# KiCad board pannel.kicad_pcb (continued)
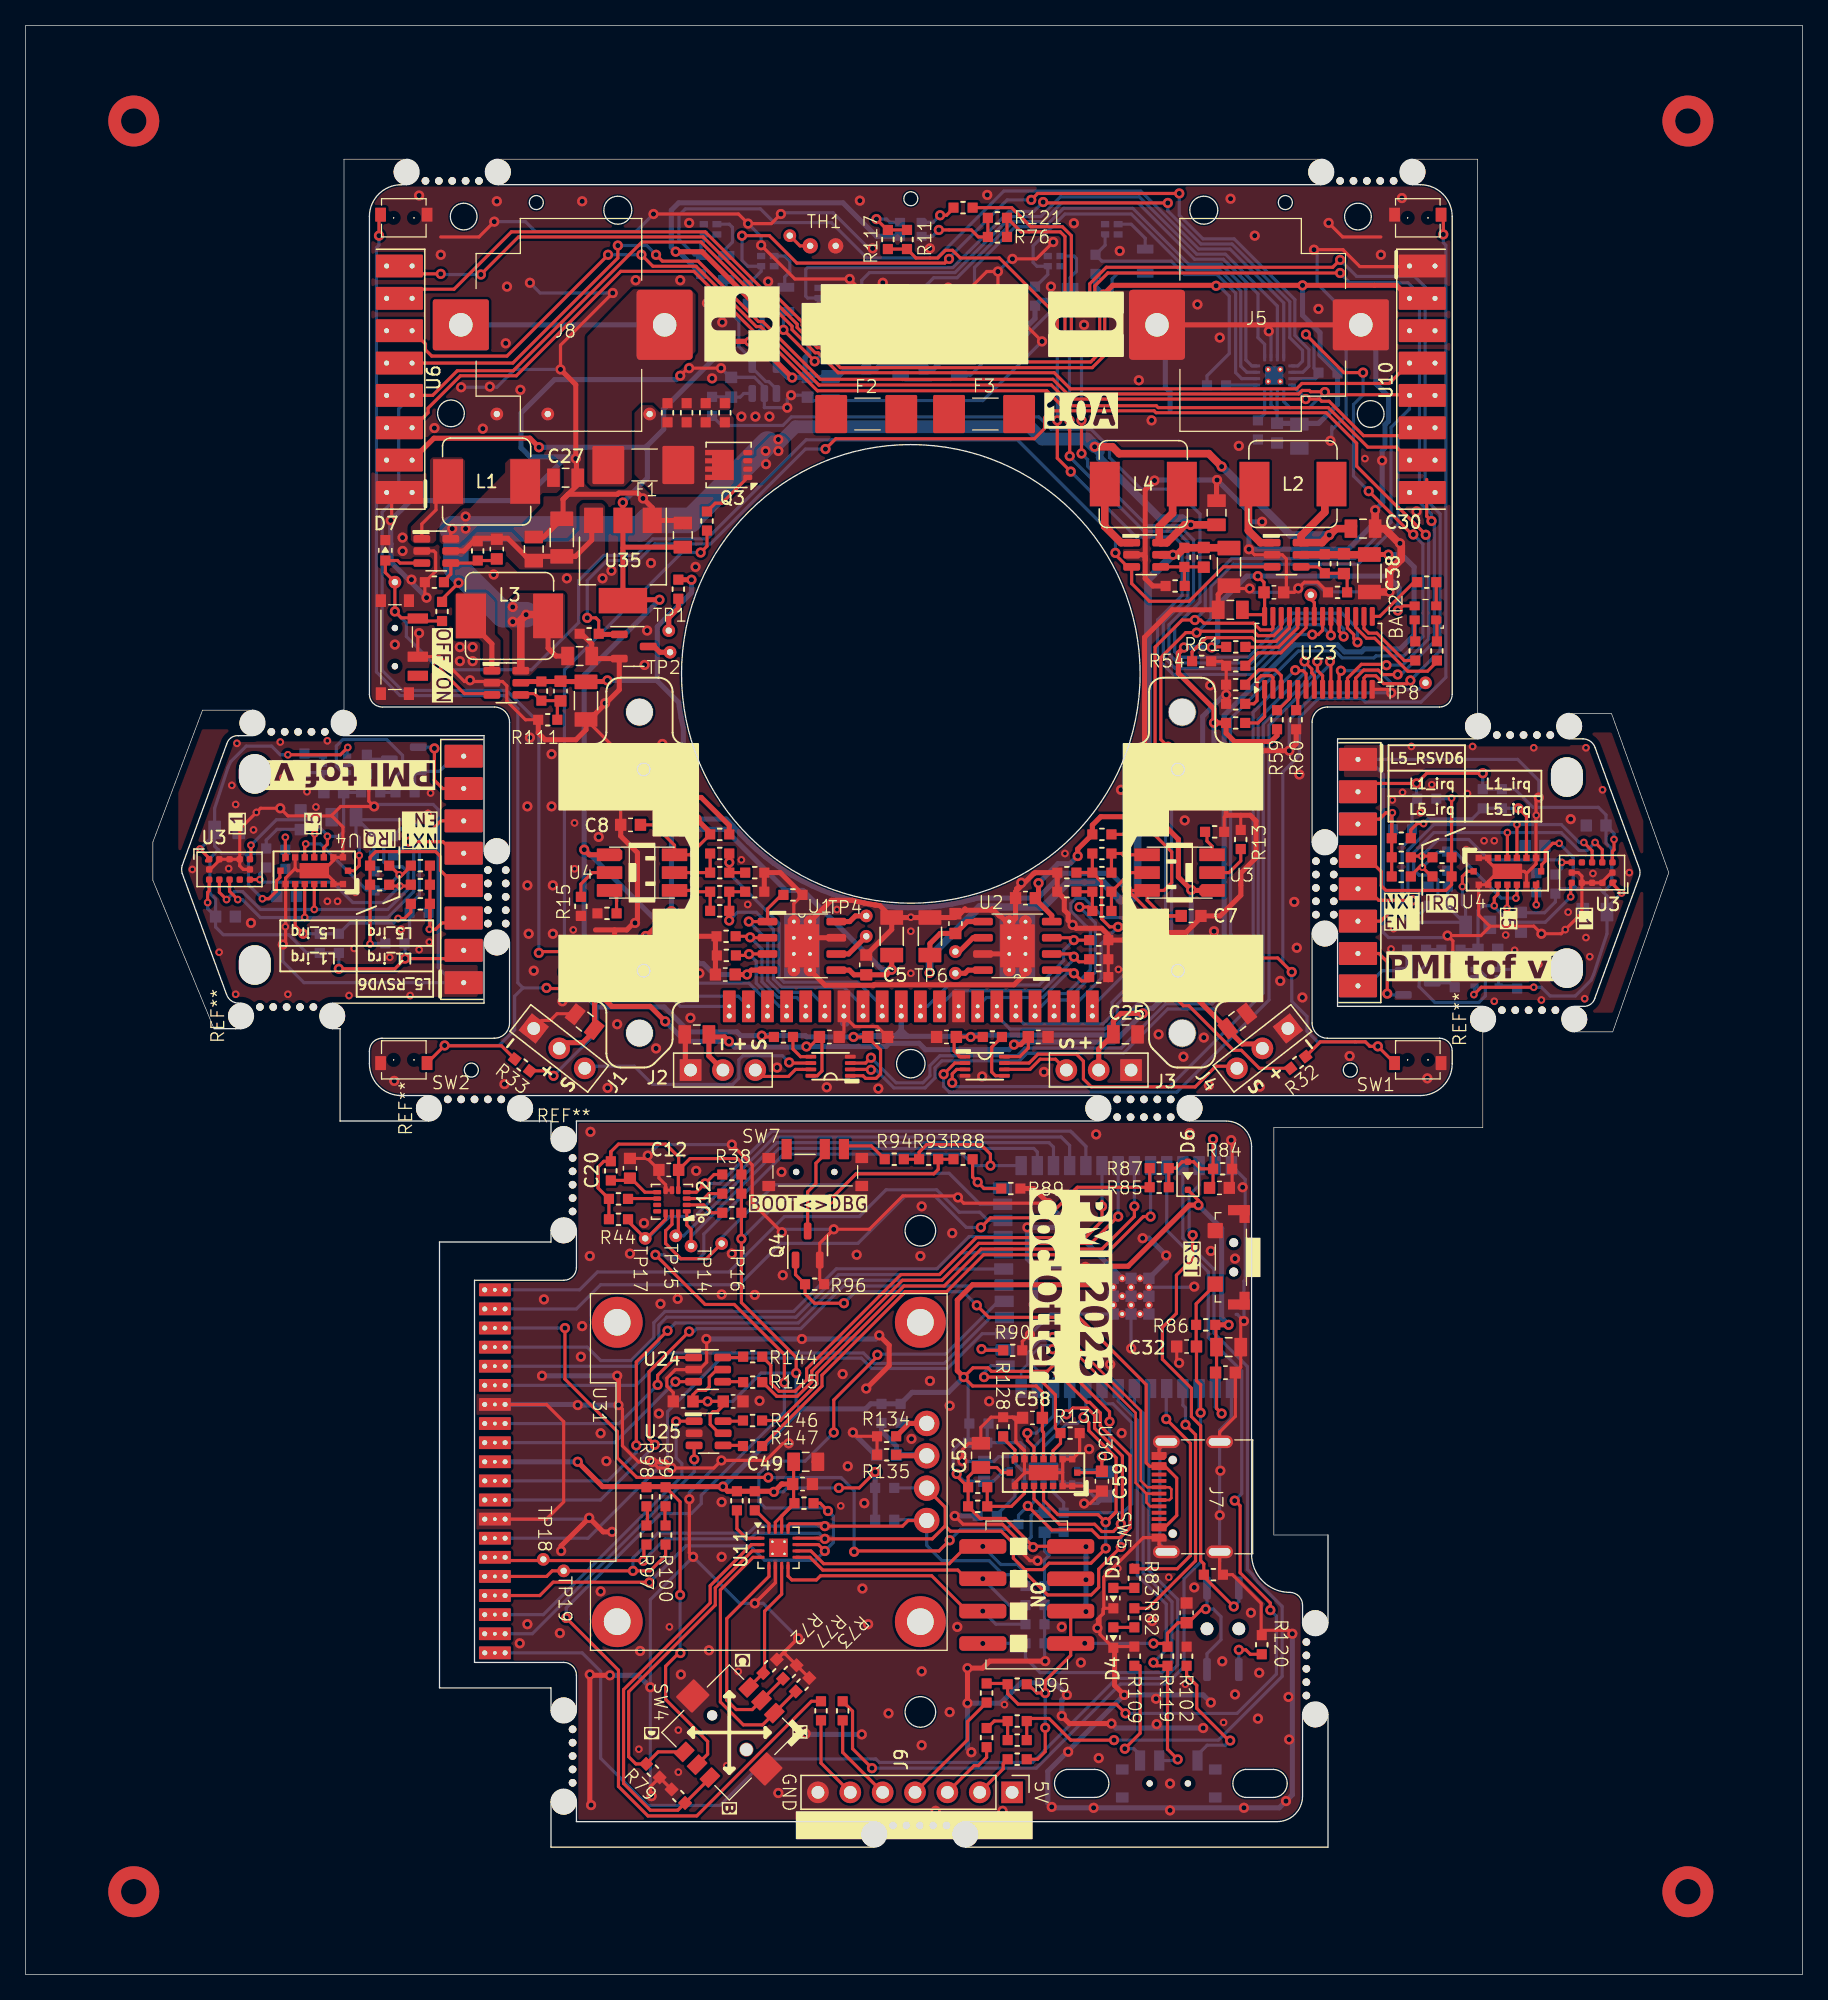
[diagram p0: board, top side]
## Nets (continued)
/sensors/line_led_3v3: R34.1 R35.1 R40.1 R41.1 R46.1 R47.1 R50.1 R51.1 U5.1 U5.4
/sensors/tof_irq: J50.3 U6.4 U10.4
/VL53L1_irq_3v3: R4.1 R4#2.1 R8#2.2 R8#3.2 R20#2.1 R20#3.1 U3#2.7 U3#3.7
/VL53L5_I2C_RST_3v3: R14#2.1 R14#3.1 U4#2.A1 U4#3.A1
/VL53L5_irq_3v3: R5.1 R5#2.1 R13#2.2 R13#3.2 R21#2.1 R21#3.1 U4#2.A3 U4#3.A3
/VL53L5_RSVD6_3v3: R6#2.1 R6#3.1 R11#2.2 R11#3.2 R12.2 R12#2.2 U4#2.C2 U4#3.C2
DETECT_IRQ_3v3: J1.4 J1#2.4 R20#2.2 R20#3.2 R21#2.2 R21#3.2 R25#2.2 R25#3.2
enable_next_board_3v3: J1.3 J1#2.3 R4.2 R4#2.2 R5.2 R5#2.2 R6#2.2 R6#3.2 R7#2.2 R7#3.2
Net-(BAT2-C_BLUE): BAT2.2 R62.1
Net-(BAT2-C_GREEN): BAT2.4 R63.1
Net-(BAT2-C_RED): BAT2.1 R64.1
Net-(D1-C_BLUE): D1.2 R11.2 R117.2
Net-(D1-C_GREEN): D1.4 R76.2 R121.2
Net-(D1-C_RED): D1.1 R74.2
Net-(D4-PadA): D4.A R82.2
Net-(D5-PadA): D5.A R83.2
Net-(J9-3V3): J9.2 R138.2
Net-(J9-BOOT): J9.6 R140.2
Net-(J9-NRST): J9.5 R139.2
Net-(J9-RXD): J9.3 R137.2
Net-(J9-TXD): J9.4 R136.2
Net-(Q1-D): Q1.3 Q1#2.3 Q1#3.3 R16#2.1 R16#3.1 TP2.1
Net-(Q4-D): Q4.3 SW7.B
Net-(Q4A-DN): Q4#2.6 Q4#3.6 R15#2.1 R15#3.1 R18#2.1 R18#3.1
Net-(Q4A-GN): Q4#2.2 Q4#2.3 Q4#3.2 Q4#3.3 R17#2.1 R17#3.1
Net-(R8-Pad1): R8.1 TP1.1
Net-(R94-Pad2): R94.2 SW7.C
Net-(R97-Pad1): R97.1 R98.2
Net-(R100-Pad1): R99.2 R100.1
Net-(R102-Pad1): R102.1 SW3.A
Net-(R109-Pad1): R109.1 SW3.C
Net-(R120-Pad1): R120.1 U18.1
Net-(TH1-Pad1): TH1.1 TP12.1
Net-(U3-C1): R13.1 U3.2
Net-(U3-C2): R14.1 U3.3
Net-(U3-E1): R22.1 R25.1 U3.4
Net-(U3-E2): R17.1 R19.1 U3.5
Net-(U4-C1): R15.1 U4.2
Net-(U4-C2): R16.1 U4.3
Net-(U4-E1): R26.1 R28.1 U4.4
Net-(U4-E2): R20.1 R24.1 U4.5
Net-(U5-+): C9#3.1 R31.2 U5.3
Net-(U7-ADDR): R10.1 U7.16
Net-(U7-~{RESET}): R12#3.2 U7.1
Net-(U8-A): R34.2 U8.3
Net-(U9-A): R35.2 U9.3
Net-(U11-ADDR): R118.2 U11.16
Net-(U11-~{RESET}): R116.2 U11.1
Net-(U12-INT2/DEN): R39.2 U12.9
Net-(U12-SCx): R45.2 U12.3
Net-(U12-SDx): R101.2 U12.2
Net-(U12-Vdd): C20.1 R141.2 U12.8
Net-(U13-A): R40.2 U13.3
Net-(U14-A): R41.2 U14.3
Net-(U15-A): R46.2 U15.3
Net-(U16-A): R47.2 U16.3
Net-(U17-DIR): R143.2 U17.5
Net-(U19-A): R50.2 U19.3
Net-(U20-A): R51.2 U20.3
Net-(U21-DIR): R142.2 U21.5
Net-(U22-RSVD6): R125.2 R126.2 U22.C2
Net-(U23-A0): R57.2 U23.1
Net-(U23-A1): R56.1 U23.2
Net-(U23-A2): R58.1 U23.3
Net-(U23-A3): R59.2 U23.4
Net-(U23-A4): R60.1 U23.5
Net-(U23-A5): R61.2 U23.24
Net-(U23-EXTCLK): R54.1 U23.25
Net-(U24-1Y): R144.1 U24.6
Net-(U24-2Y): R145.1 U24.4
Net-(U25-1Y): R146.1 U25.6
Net-(U25-2Y): R147.1 U25.4
Net-(U28-FB): C29.2 R66.2 R107.1 U28.4
Net-(U28-SW): L1.2 U28.1
Net-(U29-FB): C37.2 R67.2 R108.1 U29.4
Net-(U29-SW): L2.2 U29.1
Net-(U30-RSVD6): R129.2 R130.2 U30.C2
Net-(U31-GND): R133.1 R134.2 U31.1
Net-(U31-VCC): C31.1 R132.1 R135.1 U31.2
Net-(U32-IO45,GPIO45): R88.2 R89.1 U32.26
Net-(U32-IO46,GPIO46): R90.1 U32.16
Net-(U32-TXD0,U0TXD,GPIO43,CLK_OUT1): R91.1 R92.1 U32.37
Net-(U33-FB): C41.2 R110.2 R111.1 U33.4
Net-(U33-SW): L3.2 U33.1
Net-(U34-FB): C42.2 R112.2 R113.1 U34.4
Net-(U34-SW): L4.2 U34.1

Pads without a net: F2 1 2; F3 1 2; J7 A5 A8 B5 B8; J9 1; SW7 A; SW8 C; U3#2 8; U3#3 8; U4#2 C5; U4#3 C5; U7 17; U10 3; U11 17; U12 10 11; U22 C5; U30 C5; U31 NC

## Via types
v1: diameter 4, hole 2, Top to Bottom, 4 vias
v2: diameter 0.8, hole 0.4, Top to Bottom, 571 vias
v3: diameter 0.6, hole 0.3, Top to Bottom, 125 vias

## Routing (per net, layer and track width the routed paths; a pad name or vN(x,y) marks a point on that pad's centre or on a via; arc(x,y) is an arc through that point)
+3.3V: length 201.6
  Top w0.25: v3(18.6,84.45) 19.1,84.45 19.7,85.05 19.7,85.85 19.97,86.12 19.97,86.6 U4#3.B1 ; v2(24.6,78.95) 29,78.95 v2(29.8,79.75) 33.75,79.75 J1#2.2 33.65,81.15 ; 105.35,92.1 J1.2 105.25,93.5 v2(109.2,93.5) 110,94.3 v2(114.4,94.3) ; v3(22.7,89.55) 22.67,89.52 U4#3.A4 ; v3(13.7,88.35) 14.42,87.63 U3#3.1 ; v3(113.7,76.92) 114.28,77.5 v3(118.4,77.5) 118.38,77.53 ; 20.62,95.72 v3(20.6,95.75) 24.73,95.75 v3(25.3,96.33) ; v3(14.3,84.15) 14.3,84.95 14.42,85.07 U3#3.11 ; v3(26.2,87.85) 26.2,87.05 25.8,86.65 U4#3.B7 ; U4#2.B7 113.2,86.6 112.8,86.2 v3(112.8,85.4) ; v3(124.7,89.1) 124.7,88.3 124.58,88.18 U3#2.11 ; U4#2.A4 116.33,83.73 v3(116.3,83.7) ; U3#2.1 124.58,85.62 v3(125.3,84.9) ; U4#2.B1 119.03,86.65 119.03,87.13 119.3,87.4 119.3,88.2 119.9,88.8 v3(120.4,88.8)
  Bottom w0.25: C8#2.1 19.52,84.45 v3(18.6,84.45) 17.5,85.55 17.5,87.45 ; C5#3.1 14.85,89.5 v3(13.7,88.35) ; C5#3.1 14.85,91.55 15.9,94.75 16.1,95.2 17.33,96.43 19.32,96.43 20,95.75 v3(20.6,95.75) ; C5#3.1 14.85,88.58 15.14,88.29 ; v3(112.8,85.4) 112.8,84 113.05,83.75 113.05,82.6 ; v3(116.3,83.7) 116.62,83.38 117.2,83.38 117.4,83.58 117.62,83.35 119.25,83.35 120.1,84.2 R8#2.1 120.47,85.22 121.5,85.22 ; v2(29.8,79.75) 29.8,81 30.15,81.35 30.15,83.96 30.93,84.74 30.93,90.13 30.4,90.65 25.95,90.65 ; 17.5,87.45 17.5,87.72 ; 17.5,87.45 17.5,88.03 ; 17.5,87.72 17.8,88.03 17.5,88.03 ; 17.5,87.72 17.2,88.03 ; 25.95,90.65 25.95,90.8 27.35,89.4 R10#3.1 R9#3.1 27.35,86.75 27.5,86.6 ; 25.95,90.65 25.95,89.5 26.2,89.25 v3(26.2,87.85) ; 17.5,88.03 18.52,88.03 R8#3.1 18.9,89.05 19.75,89.9 21.38,89.9 21.6,89.67 21.8,89.88 22.38,89.88 v3(22.7,89.55) ; 17.5,88.03 17.2,88.03 ; 121.5,85.22 121.8,85.22 ; 121.5,85.22 121.2,85.22 121.5,85.53 ; 121.5,85.22 121.5,85.8 ; v3(118.4,77.5) 119,77.5 119.68,76.82 121.67,76.82 122.9,78.05 123.1,78.5 124.15,81.7 C5#2.1 ; C5#2.1 124.15,83.75 v3(125.3,84.9) ; C5#2.1 124.15,84.67 123.86,84.96 ; 121.8,85.22 121.5,85.53 ; 121.8,85.22 123.6,85.22 123.86,84.96 ; Q4#3.4 113.75,76.97 v3(113.7,76.92) ; 113.05,82.6 113.05,82.45 111.65,83.85 R10#2.1 R9#2.1 111.65,86.5 111.5,86.65 ; 113.05,82.6 108.6,82.6 108.08,83.12 108.08,88.51 108.85,89.29 108.85,91.9 109.2,92.25 v2(109.2,93.5) ; C4#2.2 124.08,88.83 124.53,88.38 124.53,85.62 123.86,84.96 ; v3(14.3,84.15) 14.3,83.67 14.82,83.15 14.93,83.15 14.93,82.22 15.53,81.62 20.66,81.62 22.08,80.2 R12.1 v2(24.6,78.95) ; C8#3.1 119.47,88.8 v3(120.4,88.8) 121.5,87.7 121.5,85.8 ; 121.5,85.53 121.5,85.8 ; v2(114.4,94.3) R12#2.1 116.92,93.05 118.34,91.62 123.47,91.62 124.08,91.03 124.08,90.1 124.17,90.1 124.7,89.58 v3(124.7,89.1) ; v3(25.3,96.33) 25.25,96.28 Q4#2.4 ; C4#3.2 14.93,84.42 14.47,84.88 14.47,87.62 15.14,88.29 ; 15.14,88.29 15.4,88.03 17.2,88.03
+3V3: length 432.1
  Top w0.25: v2(88.18,76.98) 89.97,76.98 90.9,76.05 91.33,76.05 94.83,72.55 95.45,72.55 96.86,71.14 R32.1 ; v2(107.73,107.07) 108.09,107.44 BAT2.3 ; U21.1 65.75,70.55 65.95,70.35 66.77,70.35 67.12,70.7 67.12,72.58 66.1,73.6 v2(65,73.6) ; v2(93.12,104.18) 93.16,104.22 R61.1 ; R143.1 v2(74.2,73.6) C17.1 72.9,73.42 72.9,72.5 73.3,72.1 73.3,72.05 U17.1 ; v2(96.74,109.78) 97.22,109.29 C13.1 97.28,108.45 U23.28 97.14,106.75 95.5,106.75 ; R33.1 41.06,70.94 v2(41.45,70.55) ; v2(57.8,73.7) 57.9,73.6 59,73.6
  Top w0.4: v2(91.52,85.14) 91.56,85.1 U3.1 93.05,85 ; v2(91.52,85.14) 90.5,86.16 90.5,89.12 88.73,90.89 ; v2(91.52,85.14) 91.37,85.14 ; 93.5,132.6 v2(100.25,132.6) 107.63,132.6 U10.2 ; 93.5,132.6 85.35,132.6 v2(84.62,131.88) ; 93.5,132.6 v2(93.47,132.57) ; C46.1 46.95,112.05 46.9,112 ; v2(43.86,88.3) 44.26,87.9 U4.1 ; v2(91.5,92) 89.84,92 88.73,90.89 ; 88.73,90.89 84.41,90.89 83.75,90.23 R30.2 82.6,88.35 v2(82.6,87.8) ; v2(51.04,135.24) 53.11,135.24 57.83,130.52 v2(57.83,130.43) ; R59.1 98.25,97.26 97.78,96.79 94.91,96.79 94.25,97.45 R57.1 ; U2.4 80.56,83.14 79.28,84.42 C2.1 79.53,84.75 v2(79.53,85.67) ; 28.75,118.88 30.34,118.88 32.06,120.6 39.6,120.6 v2(40.31,119.89) ; R57.1 94.25,98.41 ; R57.1 93.31,98.25 v2(93.3,98.26) 93.3,99.36 90.5,102.16 90.5,103.73 v2(90.94,104.17) ; 108.07,131.58 108.98,131.58 ; v2(60.19,125.36) 57.35,128.2 v2(55.2,128.2) 56.82,128.2 v2(56.83,128.18) ; U1.4 56.98,78.84 v2(56.64,78.5) C1.1 ; v2(49.77,107.92) 46.97,107.92 U35.4 U35.2 46.89,114.16 v2(46.89,115.55)
  Bottom w0.25: R12#3.1 92.75,125.5 94.5,127.25 94.5,131.75 93.68,132.57 v2(93.47,132.57) ; 98.25,122.75 97.78,123.22 U7.15 ; 98.25,122.75 C47.1 98.33,121.7 C48.1 101.45,121.7 ; 98.25,122.75 98.25,124.1 U7.14 ; 44.85,75.95 44.85,73.95 v2(41.45,70.55) ; 62.63,125.45 60.7,125.45
  Bottom w0.4: 66.85,73.7 69.19,73.7 69.24,73.65 ; 66.85,73.7 67.25,73.7 ; 66.85,73.7 65.62,73.7 ; J50.10 68.75,74.6 ; 68.75,74.6 68.75,74.14 69.24,73.65 ; 68.75,74.6 68.75,74.15 ; v2(57.8,73.7) 56.15,73.7 55.85,74 52.1,74 50.15,75.95 44.85,75.95 43.86,76.94 v2(43.86,88.3) ; v2(57.8,73.7) 57.8,73.6 ; v2(57.8,73.7) 61.23,73.7 61.33,73.6 v2(65,73.6) ; v2(40.31,119.89) 48.61,119.89 48.82,119.68 ; v2(100.25,132.6) 100.25,130.25 101.62,128.88 101.62,127.12 R9.1 103,123.25 101.53,121.78 C47.1 ; v2(43.86,88.3) 43.86,102.01 v2(49.77,107.92) ; v2(43.86,88.3) 43.95,88.3 52.9,79.35 53.21,79.35 54.06,78.5 v2(56.64,78.5) ; 67.25,73.7 68.2,73.7 ; 67.25,73.7 65.62,73.7 ; 57,131 57.57,130.43 v2(57.83,130.43) 57.83,129.18 v2(56.83,128.18) ; 59,126.34 U5.5 58.95,126.25 59.84,125.36 v2(60.19,125.36) 60.2,125.38 C10.1 61.2,125.57 61.2,126.94 61.5,127.24 R42.1 ; 68.2,73.7 68.75,73.7 ; 68.2,73.7 68.3,73.7 68.75,74.15 ; v2(65,73.6) 65.05,73.65 69.24,73.65 ; v2(65,73.6) 65.53,73.6 65.62,73.7 ; v2(79.53,85.67) 81.05,87.2 82,87.2 v2(82.6,87.8) ; 48.82,119.68 48.8,119.7 48.8,120 50.1,121.3 50.1,122.9 55.2,128 v2(55.2,128.2) ; 48.82,119.68 48.82,117.48 v2(46.89,115.55) ; 68.75,74.15 68.75,73.7 ; 68.75,73.7 68.8,73.65 74.15,73.65 v2(74.2,73.6) 74.35,73.75 84.95,73.75 v2(88.18,76.98) 88.18,77.78 91.52,81.11 v2(91.52,85.14) ; v2(93.3,98.26) 93.3,93.63 91.67,92 v2(91.5,92) ; R52.1 51.28,135.24 v2(51.04,135.24) 50.7,135.59 50.7,138.5 51.28,139.08 64.17,139.08 66.8,136.45 D1.3 ; R53.1 84,132.5 v2(84.62,131.88) 84.18,131.43 79.68,131.43 R49.1 79.25,130 78.25,129 75.5,129 R43.1 75,127.08 74.46,126.54 71.79,126.54 71.25,126 R37.1 70.2,126.3 67.05,126.3 66.75,126 R36.1 64.36,126 63.81,125.45 62.63,125.45 ; v2(107.73,107.07) 107.73,107.83 107.83,107.93 107.83,108.85 106.91,109.78 v2(96.74,109.78) 95.87,109.78 93.59,107.5 93.59,104.65 v2(93.12,104.18) 93.11,104.17 v2(90.94,104.17)
+3V3_m: length 342.6
  Top w0.25: C58.1 79.83,45.72 79.35,46.2 74.35,46.2 v2(73.65,46.9) 74.38,47.62 75.55,47.62 75.83,47.35 80.21,47.35 80.74,47.88 81.4,47.88 85.1,44.18 v2(85.1,43.4) ; 44.95,62.79 44.95,63.39 45.4,63.84 R141.1 45.95,64.59 ; 44.95,62.79 44.95,61.89 ; 44.95,62.79 44.95,61.74 R39.1 45.8,59.39 ; v2(84.5,40.65) C59.1 84.4,39.4 U30.B7 ; U30.B1 76.65,39.4 76.25,39.8 C52.1 ; 45.95,64.59 45.95,64.34 ; 45.95,64.59 46.55,65.19 50.26,65.19 51.27,64.17 C12.1 ; SW4.5 53.55,17.3 53.55,18.3 50.25,21.6 50.25,24.2 51.29,25.24 v2(51.41,25.24) ; 89.65,25.94 89.65,26.79 90.47,27.61 C28.1 91.28,27.61 92.35,28.69 v2(92.65,28.69) ; 51.25,61.58 51.25,63.14 C12.1 ; v2(58.75,37.89) 58.8,37.84 ; D6.1 92.08,60.78 v2(92.08,60.4) ; 82.17,28.54 82.17,28.22 82.05,28.1 82.05,25.05 80.05,23.05 v2(80.05,22.1) 79.4,22.1 78.6,22.9 ; 93.45,51 93.45,49.3 C35.1 93.5,44.44 v2(93.9,44.04) ; 74.45,39.5 74,39.05 R130.1 ; 59.36,35.28 U11.14 59.36,36 R115.1 58.86,35.5 U11.15 ; C50.1 59.44,38.5 ; C12.1 52.16,64.05 55.9,64.05 56.2,63.75 R38.1 R101.1 v2(56.2,57.75) 56.2,52.75 60.5,48.45 v2(60.5,47.21) ; R88.1 R93.1 71.65,63.2 71.3,62.85 65.2,62.85 v2(63.2,60.85) ; R130.1 R129.1 74.95,35.8 76.9,35.8 79.1,33.6 v2(79.1,33.55) 79.17,33.62 83,33.62 ; R130.1 73.1,39.15 v2(73.1,39.3) ; 79.83,43.55 79.83,42.66 79.92,42.57 U30.A4 ; v2(88.55,25.99) 89.56,25.99 89.8,25.75 ; U25.5 54.44,42.49 53.75,43.18 53.75,43.96 53.98,44.19 54.3,44.19 54.77,44.66 C16.1 v2(53.55,44.99) C18.1 52.4,45.51 52.75,45.86 53.4,45.86 53.67,46.14 53.67,46.89 54.27,47.49 U24.5 ; v2(63.85,38.2) 65.45,38.2 v2(66.7,39.45) ; 59.25,35.89 60.3,36.94 C49.1 ; R99.1 51.39,37.11 v2(51.39,29.8) ; R138.1 79.45,16.9 80.05,17.5 v2(80.05,19.38)
  Top w0.4: 83.23,31.07 83.23,31.01 v2(83.25,30.99) ; 83.23,31.07 SW5.7 ; 83.23,31.07 83.25,31.09 ; 93.45,51 v2(94.45,51) ; 59.36,38.5 v2(58.75,37.89) 58.7,37.94 R116.1 55.11,37.94 v2(54.75,38.3) 45.3,38.3 v2(43.35,40.25) ; 59.36,38.5 59.44,38.5 ; 59.36,38.5 C50.1 ; v2(73.65,46.9) 73.15,47.4 73.15,52.95 74.35,54.15 83.6,54.15 85.05,55.6 86.56,55.6 91.36,60.4 v2(92.08,60.4) ; SW5.8 83.23,33.61 v2(83.25,33.59)
  Bottom w0.25: v2(51.41,25.24) 51.39,25.26 v2(51.39,29.8) ; v2(93.9,44.04) 93.4,44.54 U32.2 ; U22.A4 79.92,36.35 ; 79.92,36.35 C57.1 ; 79.92,36.35 79.28,36.35 78.95,36.03 78.95,34.35 78.45,33.85 R123.1 78.25,33.55 v2(79.1,33.55) ; v2(85.1,43.4) 85.1,41.25 v2(84.5,40.65) 84.5,39.7 C51.1 84.6,39.6 U22.B7 ; v2(73.65,46.9) 74,46.55 R125.1 73.4,41.75 72.83,41.17 72.83,39.58 v2(73.1,39.3) 73.67,38.72 C53.1 75.97,38.72 76.85,39.6 U22.B1 ; v2(83.15,26) 88.54,26 v2(88.55,25.99) ; v2(63.2,60.85) 59.3,60.85 v2(56.2,57.75) ; U18.2 92.75,25.19 93.85,26.29 93.85,28.09 93.25,28.69 v2(92.65,28.69) 92.75,28.79 U18.3 ; v2(58.75,37.89) 59.49,37.89 59.8,38.2 v2(63.85,38.2) ; 60.85,44.4 60.5,44.75 v2(60.5,47.21) 57.75,47.21 55.52,44.99 v2(53.55,44.99) ; v2(80.05,19.38) v2(80.05,22.1)
  Bottom w0.4: v2(92.08,60.4) 93.9,58.58 93.9,51.55 v2(94.45,51) ; v2(83.25,28.49) v2(83.25,30.99) v2(83.25,33.59) ; J49.10 v2(43.35,40.25) ; v2(73.65,46.9) 72.45,45.7 69.6,45.7 R133.2 R132.2 66.35,44.8 65.95,44.4 60.85,44.4 v2(54.75,38.3) ; v2(66.7,39.45) R80.1 R81.1
+5V: length 164.1
  Top w0.25: U21.8 62.15,70.55 62.52,70.92 62.52,73.8 61.58,72.85 v2(61.3,72.85) ; C21.1 78.72,72.72 78.05,72.05 U17.8
  Top w0.4: J3.2 84.25,72.65 C25.1 85.4,74.85 86,75.45 v2(87.71,75.45) ; v2(106.99,111.46) 106.97,111.47 C38.1 ; R29.2 55.25,90.2 53.05,92.4 v2(50.7,92.4) ; v2(55.23,73.25) 54.88,73.6 53.65,73.6 53.65,72.1 J2.2 ; 96.7,73.1 96.65,73.05 95.5,73.05 95.5,73.06 91.66,76.9 v2(91,76.9) ; C21.1 78.12,73 v2(77.6,73) ; v2(50.71,83.48) 48.75,81.53 v2(48.69,81.53) ; 42.3,73.1 42.35,73.15 43.74,73.15 44.67,74.08 44.67,76.27 45.12,76.72 v2(45.3,76.72) 46.02,76 49.04,76 v2(50.22,74.82)
  Top w0.6: C38.1 105.47,111.45 U29.5
  Bottom w0.4: v2(45.3,76.72) 45.3,78.07 48.69,81.46 v2(48.69,81.53) ; v2(50.22,74.82) 50.22,74.83 51.8,73.25 v2(55.23,73.25) 55.67,72.8 61.25,72.8 v2(61.3,72.85) 67.55,72.85 67.8,73.1 70.15,73.1 70.65,72.6 77.2,72.6 v2(77.6,73) 77.8,73.2 85.46,73.2 v2(87.71,75.45) 88.11,75.85 88.48,75.85 89.53,76.9 v2(91,76.9) 94.1,80 94.1,98.84 99.63,104.38 103,104.38 103.55,103.83 104.88,103.83 105.11,104.06 107.91,104.06 109.01,105.16 109.01,110.49 108.04,111.46 v2(106.99,111.46) ; v2(50.7,92.4) 50.71,92.39 v2(50.71,83.48)
/boards interface/com/vbatt_mon_3.45V: length 59.1
  Top w0.25: 82.39,61.61 80.18,59.4 75.75,59.4 v2(75,58.65) ; 82.39,61.61 82.58,61.8 R85.2 R87.2 ; 82.39,61.61 82.53,61.75
  Bottom w0.25: v2(75,58.65) 73.85,58.65 71.38,61.12 69.07,61.12 65.35,57.4 59.29,57.4 56.04,54.15 45.15,54.15 43.25,52.25 J49.2
/boards interface/vbatt_mon_3.45V: length 56.5
  Top w0.25: v2(53,111.62) 53.5,112.12 R65.2 ; v2(42.31,78.7) 46.25,78.7 v2(46.7,78.25)
  Bottom w0.25: v2(46.7,78.25) 47.4,77.55 51.05,77.55 51.8,76.8 55.95,76.8 J50.2 ; v2(42.31,78.7) 42.31,102.41 51.52,111.62 v2(53,111.62)
  Bottom w0.4: J50.2 J50.2
/power_supply/P3V9: length 14.5
  Top w0.4: 44.45,114.55 44.45,112.6 43.17,111.33 39.27,111.33 37.85,112.75 35.4,112.75 34.4,111.75 U28.5
GND: length 747.1
  Top w0.25: U23.14 106.94,100.89 v2(107.21,100.61) ; 32.6,136.4 35.6,136.4 v2(36.8,137.6) ; U3#2.12 124.49,86.5 123.78,85.79 U3#2.2 U3#2.4 ; 21.17,86.82 21.34,86.65 U4#3.B4 23.37,86.65 ; 21.17,86.82 U4#3.A2 ; 21.17,86.82 20.42,86.07 U4#3.C1 20.42,81.07 v2(20.2,80.85) ; R56.2 94.25,100.45 v2(94.26,100.46) R55.2 93.91,103.09 R54.2 ; v2(46.1,132) 42,127.9 v2(42,126) ; v2(77.48,134.68) 79.36,134.68 v2(80.68,136) ; U3#2.4 122.18,83.33 120.55,81.7 v2(119,81.7) 118.4,82.3 114.95,82.3 ; U3#2.4 122.18,86.22 121.9,86.5 U3#2.6 ; 94.25,91 94.1,90.85 R14.2 ; C44.2 94.7,108.8 v2(96.1,108.8) ; C8.2 46.73,95.8 C43.2 ; U3#3.12 14.51,86.75 15.22,87.46 U3#3.2 U3#3.4 ; 117.83,86.43 117.66,86.6 U4#2.B4 115.63,86.6 ; 117.83,86.43 118.58,87.18 U4#2.C1 118.58,92.18 v2(118.8,92.4) ; 117.83,86.43 U4#2.A2 ; 40.5,74.9 41.2,74.9 41.72,75.42 43.33,75.42 ; 44.75,83.5 44.7,83.5 ; 64.25,73.92 J50.7 65.08,74.42 66.86,74.42 C15.2 68.08,73.6 ; 108.6,134.07 104.75,134.07 103.43,135.4 v2(101.15,135.4) ; v2(49.3,138.2) 55.97,138.2 v2(56.72,137.45) 58.55,137.45 v2(59.3,138.2) ; 24.05,90.95 20.6,90.95 v2(20,91.55) 18.45,91.55 16.82,89.92 U3#3.4 ; 24.05,90.95 24.92,90.08 U4#3.A7 U4#3.A6 24.17,87.45 23.37,86.65 ; 24.05,90.95 24.05,91 24.74,91.69 v2(27.37,91.69) 26.95,92.11 26.95,93.75 26.95,92.9 ; 106.4,136.4 103.4,136.4 v2(102.3,137.5) ; v2(28.68,114.15) 28.75,114.22 28.75,116.34 ; R107.2 32.2,110.15 32.2,111.6 32.05,111.75 U28.2 ; R107.2 31.25,109.3 ; R107.2 31.35,108.22 v2(31.48,108.08) ; 115.63,86.6 114.83,87.4 U4#2.C6 U4#2.C7 ; 115.63,86.6 114.83,85.8 U4#2.A6 U4#2.A7 114.08,83.17 114.95,82.3 ; U3#3.6 17.1,86.75 16.82,87.03 U3#3.4 ; 73.28,75.47 73.25,75.5 ; v2(51.4,125.5) 52,126.1 v2(52.1,126.1) v2(54.6,126.1) ; v2(57.75,135.75) 60.4,133.1 v2(64.7,133.1) 65.25,132.55 69.33,132.55 70.71,131.17 v2(71.79,131.17) 72.95,131.17 75.47,133.69 v2(76.34,133.69) 76.34,131.66 v2(79.8,128.2) ; R13.2 95.4,91 ; v2(78.17,85.71) 77.72,85.26 C2.2 ; R111.2 39.25,98.5 37.79,99.96 37.79,101.16 37.45,101.5 34.46,101.5 32.51,103.45 SW8.B 30.8,104.99 ; 23.37,86.65 24.17,85.85 U4#3.C6 U4#3.C7 ; v2(96.05,111.88) 96.48,111.45 U29.2 98.65,111.45 98.98,111.12 98.98,108.7 C13.2 99.6,108.5 100.4,109.3 101.45,109.3 R108.2 ; 112.05,80.35 112.05,79.5 112.05,81.14 v2(111.63,81.56) 114.26,81.56 114.95,82.25 114.95,82.3 ; 107.06,108.53 v2(107.08,108.54) ; R7.2 60.31,84.06 U1.9 ; 85,78 85,81 ; 42.2,115.75 42.2,114.72
  Top w0.4: 87.9,111.07 87.9,111.29 87.74,111.45 U34.2 ; 87.9,111.07 87.9,109.59 88.49,109 R113.2 ; 87.9,111.07 87.9,116.55 v2(88.63,117.28) ; 51.6,113.65 51.1,114.15 U35.1 49.2,115.15 48.05,116.3 46.58,116.3 46.48,116.2 42.6,116.2 42.2,115.8 ; 95.41,85.97 95.41,86.47 96.6,87.66 96.6,90.55 96.15,91 94.25,91 94.25,92.4 v2(92.41,94.24) ; 95.41,85.97 95.41,84.72 93.78,83.1 C7.2 92.28,82.97 91.1,81.8 87.3,81.8 v2(86.7,81.2) R4#3.2 85,81 85,81.61 84.48,82.13 82.47,82.13 81.85,82.75 81.85,83.25 81.55,83.55 81.55,84.45 R18.2 R23.2 79.27,86.5 79.2,86.46 79.14,86.42 77.72,85 77.72,82.9 77.23,82.41 76.53,83.11 76.44,83.11 75.9,83.65 75.8,83.55 73.85,83.55 73.75,83.65 73.38,83.28 C4.2 ; 95.41,85.97 95.42,85.99 ; C5.2 68,82.03 66,80.03 C3.2 ; C5.2 67.07,83.91 66.69,83.96 65.84,84.11 64.99,84.3 64.92,84.33 63.26,84.33 U1.9 ; C5.2 C6.2 72.95,82.97 73.08,83.11 ; R111.2 40.25,97.47 40.79,96.93 43.21,96.93 44,97.72 C43.2 44.28,98.53 46.61,100.85 Q1.2 44.65,103.3 C39.2 44.45,104.46 43.66,105.25 R5#3.2 ; R7.2 59.25,86.5 R21.2 R27.2 ; 42.2,115.8 43.25,116.85 43.25,118.95 v2(43.2,119) 43.2,124.8 v2(42,126) ; 42.2,115.8 42.2,114.38 40.67,112.85 C45.2 ; U2.7 76.98,80.11 77.23,79.86 ; v2(93.54,117.32) 93.5,117.28 C40.2 ; J2.1 51.8,71.41 51.8,73.75 C24.2 ; 78.5,78.59 77.61,77.7 66.62,77.7 66.58,77.66 62.77,77.66 U1.9 ; 46.25,82 46.25,81.35 46.83,80.78 49.14,80.78 49.86,81.5 R1.2 54.16,81.41 C1.2 54.15,78.49 ; 46.25,82 47.2,82 48.04,82.84 48.04,88.06 46.73,89.38 C8.2 ; 46.25,82 44.75,82 ; C44.2 94.33,109.03 93.63,108.33 C14.2 90.01,107.13 87.85,104.97 87.85,95.48 89.73,93.6 91.77,93.6 v2(92.41,94.24) ; v2(92.41,94.24) 94.24,96.07 v2(99.21,96.07) 99.75,96.61 R60.2 ; v2(67.24,131.1) 67.24,132.5 67.19,132.55 ; 89.62,129.5 105.62,129.5 ; U1.7 U1.9
  Top w0.6: v2(107.08,108.54) 107.08,110.18 108,111.1 108,112.19 106.69,113.5 C30.2 v2(105.95,114.95) ; C38.2 107.06,108.53
  Bottom w0.25: J5.1 103.67,128.35 103.67,122.38 102.55,121.25 ; 57.23,125.38 58,124.6 ; 57.23,125.38 C9#3.2 ; 57.23,125.38 55.33,125.38 v2(54.6,126.1) ; v2(107.08,108.54) 102.02,108.54 101.37,109.19 100.29,109.19 v2(99.91,108.81) 99.6,108.5 96.4,108.5 v2(96.1,108.8) ; 102.55,121.25 102.55,120.5 v2(102.44,120.4) ; 102.55,121.25 102.55,121.52 ; v2(27.37,91.69) 27.53,91.85 32,91.85 32.4,91.45 32.4,79.05 33.59,77.86 J1#2.1 21.86,77.86 20.2,79.52 v2(20.2,80.85) 20,81.05 ; R17#3.2 Q4#3.1 115.65,80.38 C9.2 ; v2(34.2,124.6) 37,124.6 38.4,126 v2(42,126) ; v2(76.34,133.69) 77.33,134.68 v2(77.48,134.68) ; v2(111.63,81.56) 111.47,81.4 107,81.4 106.6,81.8 106.6,94.2 105.41,95.39 J1.1 117.14,95.39 118.8,93.73 v2(118.8,92.4) 119,92.2 ; 82.38,137.55 82.1,137.28 ; U7.6 97.78,128.82 v2(97.6,129) ; v2(46.1,132) 40.4,132 v2(39.6,132.8) ; v2(57.75,135.75) 57.75,136.42 v2(56.72,137.45) ; v2(107.21,100.61) 101.31,100.61 99.21,98.51 v2(99.21,96.07) ; 49.4,138.2 v2(49.3,138.2) 47.93,136.83 40.02,136.83 39.25,137.6 v2(36.8,137.6) ; 58,124.6 58,123 v2(59.8,123) 59.8,123.67 v2(60.1,123.97) 59.92,123.97 61.2,123.97 61.63,123.55 75.15,123.55 v2(79.8,128.2) ; 58,124.6 U5.2 ; C9#2.2 23.35,92.88 Q4#2.1 R17#2.2 ; v2(59.3,138.2) 59.4,138.3 63.4,138.3 66.2,135.5 v2(66.5,135.5) ; 105.25,129.88 104.25,129.88 101.4,132.72 101.4,135.15 v2(101.15,135.4) ; 104.78,128.66 105.62,129.5
  Bottom w0.4: 89.86,122.82 89.86,124.22 89.48,124.59 89.48,129.35 89.62,129.5 ; v2(31.48,108.08) 28.7,110.87 28.7,112.3 28.67,112.33 28.67,114.14 v2(28.68,114.15) 30.23,115.7 39.02,115.7 42.32,119 v2(43.2,119) 43.06,119.14 39.61,119.14 38.9,119.85 38.9,122.57 41.53,125.2 51.1,125.2 v2(51.4,125.5) ; 96.05,114.04 v2(96.05,111.88) 103.83,111.88 105.95,114 v2(105.95,114.95) 106.55,115.55 106.55,116.51 106.5,116.55 106.5,119.62 106.72,119.84 106.72,121.66 107,121.93 107,123.88 106,124.88 106,129.12 105.62,129.5 ; 96.05,114.04 v2(97.08,114.04) ; 96.05,114.04 96.05,114.81 v2(93.54,117.32) 88.67,117.32 v2(88.63,117.28) ; 73.28,75.47 73.25,75.5 ; v2(92.41,94.24) 92.41,98.76 94.11,100.46 v2(94.26,100.46)
  Bottom w0.6: 64.4,74.7 64.25,74.7 J50.7
  vias: v2(17.7,82.55) v2(28.95,70.15) v2(29,104.4) v2(29.6,112.8) v2(29.6,111.75) v2(30.3,109.5) v2(30.9,139.65) v2(30.9,105.3) v2(32.1,121.4) v2(32.6,135) v2(34.1,104.2) v2(34.1,103.1) v2(34.9,101.6) v2(35.1,104.2) v2(35.1,103.1) v2(35.9,121.35) v2(36.45,124.65) v2(36.75,109.9) v2(37,139.2) v2(37.6,69.9) v2(37.7,128.05) v2(37.8,132.5) v2(38.85,124.4) v2(39.4,91.7) v2(39.4,85.5) v2(39.5,81.7) v2(39.6,97.1) v2(39.9,78.8) v2(41.3,95.8) v2(41.3,91.7) v2(41.4,85.5) v2(41.4,81.7) v2(42.15,76.4) v2(42.5,109.6) v2(43.7,139.2) v2(45,89.3) v2(44.95,79.5) v2(45.1,95.8) v2(45.3,109.6) v2(45.5,99.8) v2(45.7,69.6) v2(46,110.2) v2(46.45,74.6) v2(47.9,133) v2(47.85,82.55) v2(48.48,115.88) v2(48.6,102.8) v2(48.8,105.5) v2(49.1,110.8) v2(49.5,72.7) v2(49.6,79.22) v2(50,96.6) v2(50.7,78.35) v2(51.4,133) v2(52.1,137.5) v2(52.2,75.1) v2(52.4,81.5) v2(52.6,110.5) v2(52.9,78.6) v2(53.5,131.2) v2(53.7,128.3) v2(53.9,125.3) v2(54.7,129.7) v2(56.2,122.3) v2(57.3,122.3) v2(58.3,132.9) v2(58.4,122.3) v2(59,71.2) v2(62.7,130.3) v2(62.9,69.65) v2(65.5,139.25) v2(66.95,69.55) v2(67.3,132.8) v2(67.37,127.91) v2(71,135.5) v2(71.9,127.9) v2(72.44,132.43) v2(75.1,70.5) v2(75.5,139.7) v2(76.1,129.9) v2(79.95,70.85) v2(80.5,132.5) v2(82.2,82.4) v2(82.3,137.47) v2(83.1,129.5) v2(85.9,135.3) v2(86,93) v2(87.4,125.15) v2(87.6,82.9) v2(88.4,122) v2(88.6,93) v2(88.95,73.8) v2(90.9,72.05) v2(91,90.6) v2(92,131.1) v2(92.5,73.55) v2(92.8,80.5) v2(92.9,69.8) v2(93,101.2) v2(93,77) v2(93.2,92.2) v2(93.3,81.9) v2(93.75,128.5) v2(94.6,139.4) v2(95.25,120) v2(95.6,95.4) v2(96,77.3) v2(96.5,136.5) v2(96.9,69.7) v2(98.5,78) v2(99.6,84.2) v2(99.8,80.6) v2(100,94.2) v2(100.24,76.7) v2(101.5,130.75) v2(103.95,72.1) v2(106.4,135) v2(106.5,118.85) v2(107.9,112.35) v2(108.05,139.45) v2(109.2,114.85) v2(110.05,70.35) v2(121.3,90.7) v3(13.1,86.75) v3(15.2,80.25) v3(15.95,86.82) v3(16.2,93.35) v3(16.5,91.85) v3(16.5,76.95) v3(16.6,96.65) v3(17.9,89.85) v3(18.12,91.22) v3(20,96.75) v3(20.2,93.95) v3(20.4,82.25) v3(20.6,76.95) v3(22.1,92.85) v3(22.8,91.65) v3(23.7,96.85) v3(23.7,84.25) v3(24.5,84.25) v3(25.4,76.85) v3(25.8,80.55) v3(25.9,84.95) v3(28.6,79.85) v3(29.5,82.05) v3(30.2,76.85) v3(30.9,80.45) v3(31.6,91.15) v3(31.7,81.05) v3(31.8,92.75) v3(43,96) v3(43,82) v3(43.1,90.4) v3(43.1,86.8) v3(51.5,89.6) v3(52.5,83.9) v3(56.2,87.5) v3(56.7,84) v3(63.7,83.6) v3(69.5,83) v3(69.5,81.9) v3(69.5,78.6) v3(81.6,88) v3(85.8,78.9) v3(105.15,119) v3(107.2,80.5) v3(107.3,92.2) v3(107.4,82.1) v3(108.1,92.8) v3(108.8,96.4) v3(109.5,91.2) v3(110.4,93.4) v3(113.1,88.3) v3(113.2,92.7) v3(113.6,96.4) v3(114.5,89) v3(115.3,89) v3(115.3,76.4) v3(116.2,81.6) v3(116.9,80.4) v3(118.4,96.3) v3(118.6,91) v3(118.8,79.3) v3(119,76.5) v3(120.88,82.03) v3(121.1,83.4) v3(122.4,76.6) v3(122.5,96.3) v3(122.5,81.4) v3(122.8,79.9) v3(123.05,86.43) v3(123.8,93) v3(125.9,86.5)
GND_m: length 528.7
  Top w0.25: 61.98,40.09 61.81,40.25 ; v2(83.1,36.97) 83.58,36.97 84.5,37.9 C59.2 83.5,37.95 83.1,38.35 U30.C7 U30.C6 81.42,39.4 ; v2(63.45,58.5) 63.45,58.6 63.55,58.7 ; v2(63.45,58.5) 66.25,58.5 68.87,61.12 73.08,61.12 73.65,60.55 v2(80.3,60.55) ; v2(63.45,58.5) 62.35,57.4 Q4.2 62.35,54.54 R96.2 ; v2(63.45,58.5) 62.8,57.85 ; J49.13 40.9,35.75 42.25,37.1 42.25,43.4 40.9,44.75 J49.7 ; J7.SHIELD 88.98,33.75 J7.A1 87.75,34.3 84.65,31.2 84.65,28.75 ; D5.C 84.65,28.75 ; 84.65,28.75 84.6,28.7 84.6,28.55 ; C20.2 48.62,64.06 v2(48.85,64.29) 48.85,64.04 C12.2 49.73,62.53 50.25,62 50.25,61.58 50.75,61.58 ; 77.15,43.75 77.6,43.75 ; v2(78.85,50.22) 78.85,50.3 78.25,49.7 R90.2 ; 78.42,41.13 77.75,41.8 77.75,43.47 77.47,43.75 ; 78.42,41.13 U30.A2 78.42,39.35 ; 78.42,41.13 78.12,41.43 ; 59.63,25.18 59.53,25.28 v2(60.65,26.4) R72.2 59.43,25.18 59.63,25.18 ; 59.63,25.18 R73.2 ; 85.5,25.75 87.04,25.75 R109.2 ; v2(53.45,49.89) 53.48,49.86 53.48,48.06 52.9,47.49 U24.2 51.02,47.49 50.35,46.82 50.35,46.19 50.85,45.69 C18.2 ; v2(55.45,65.15) 57.05,63.55 57.05,60.59 v2(59.37,58.27) ; U11.6 58.86,30.75 v2(57.25,29.14) 58.75,30.64 ; 77.75,43.53 78.22,44 ; J7.SHIELD 88.98,41.25 J7.A12 ; 93.74,32.4 J7.SHIELD 93.74,31.65 R122.2 94.75,31.39 97,29.14 97,27.03 99.17,27.03 v2(99.45,26.75) ; D4.C 84.35,26.7 84.35,28.09 84.6,28.34 84.6,28.55 ; 84.6,28.55 84.6,28.34 84.15,27.89 v2(84.15,27.2) ; J7.SHIELD 93.74,42.58 94.97,43.81 C34.2 95.4,47.67 C35.2 95.4,51.55 ; 93.25,21.55 v2(93.05,21.35) ; 78.42,39.35 78.47,39.4 U30.B4 81.42,39.4 ; 78.42,39.35 77.67,38.6 U30.C1 ; C33.2 94.72,61.97 R84.1 94.72,65.33 94.55,65.5 v2(94.65,65.5) ; v2(64.95,42.55) 65.25,42.25 R134.1 R135.2 ; R78.2 R79.2 49.05,14.74 49.05,14.1 v2(49.15,14) ; v2(90.56,48.01) 90.38,48.2 C32.2 ; v2(59.91,41.7) 59.46,41.7 58.12,40.36 v2(54.63,40.36) 54.04,39.76 49.67,39.76 v2(49.2,40.24) 48.12,40.24 46.86,41.5 46.86,44.39 v2(46.55,44.7) ; v2(73.55,40.3) 73.55,41.2 74.05,41.7 C52.2 75,42.95 75.8,43.75 77.97,43.75 ; v2(79.45,32.49) 78.85,32.49 78.25,33.09 78.25,33.79 76.69,35.35 73.6,35.35 v2(72.95,36) ; R131.2 82.75,41.03 U30.A7 U30.A6 81.42,39.4 ; 52.15,37.35 v2(52.11,37.31) 52.11,33.09 v2(52.41,32.79)